# Altium PCB mega nhakinh.PcbDoc
Units mm, origin at the board's own origin, x right, y up, seen from the top; angles counter-clockwise.
Board outline 189.74 x 130.3 mm, 2 copper layers (Top Layer, Bottom Layer); 52 components, 49 nets, 248 pads, 48 vias.
Unrouted connection lines stored in the file: 5.
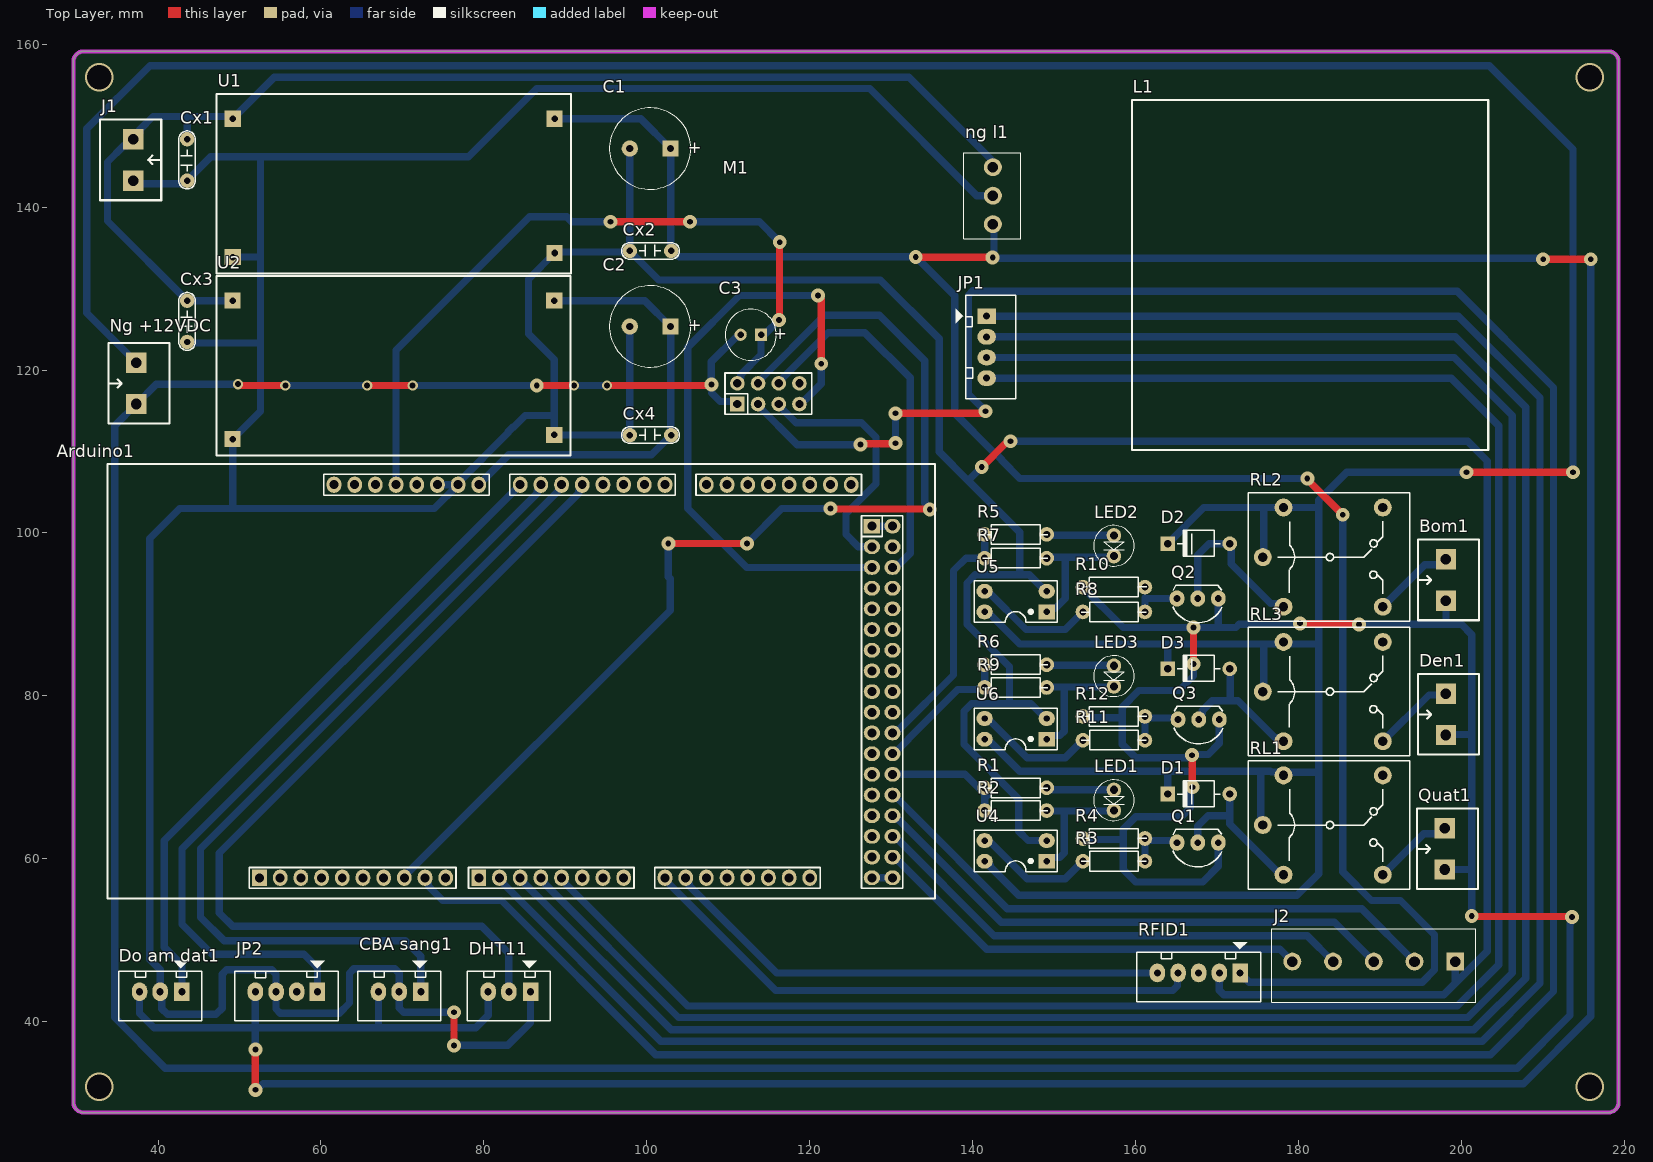
[diagram p0: Top Layer view]
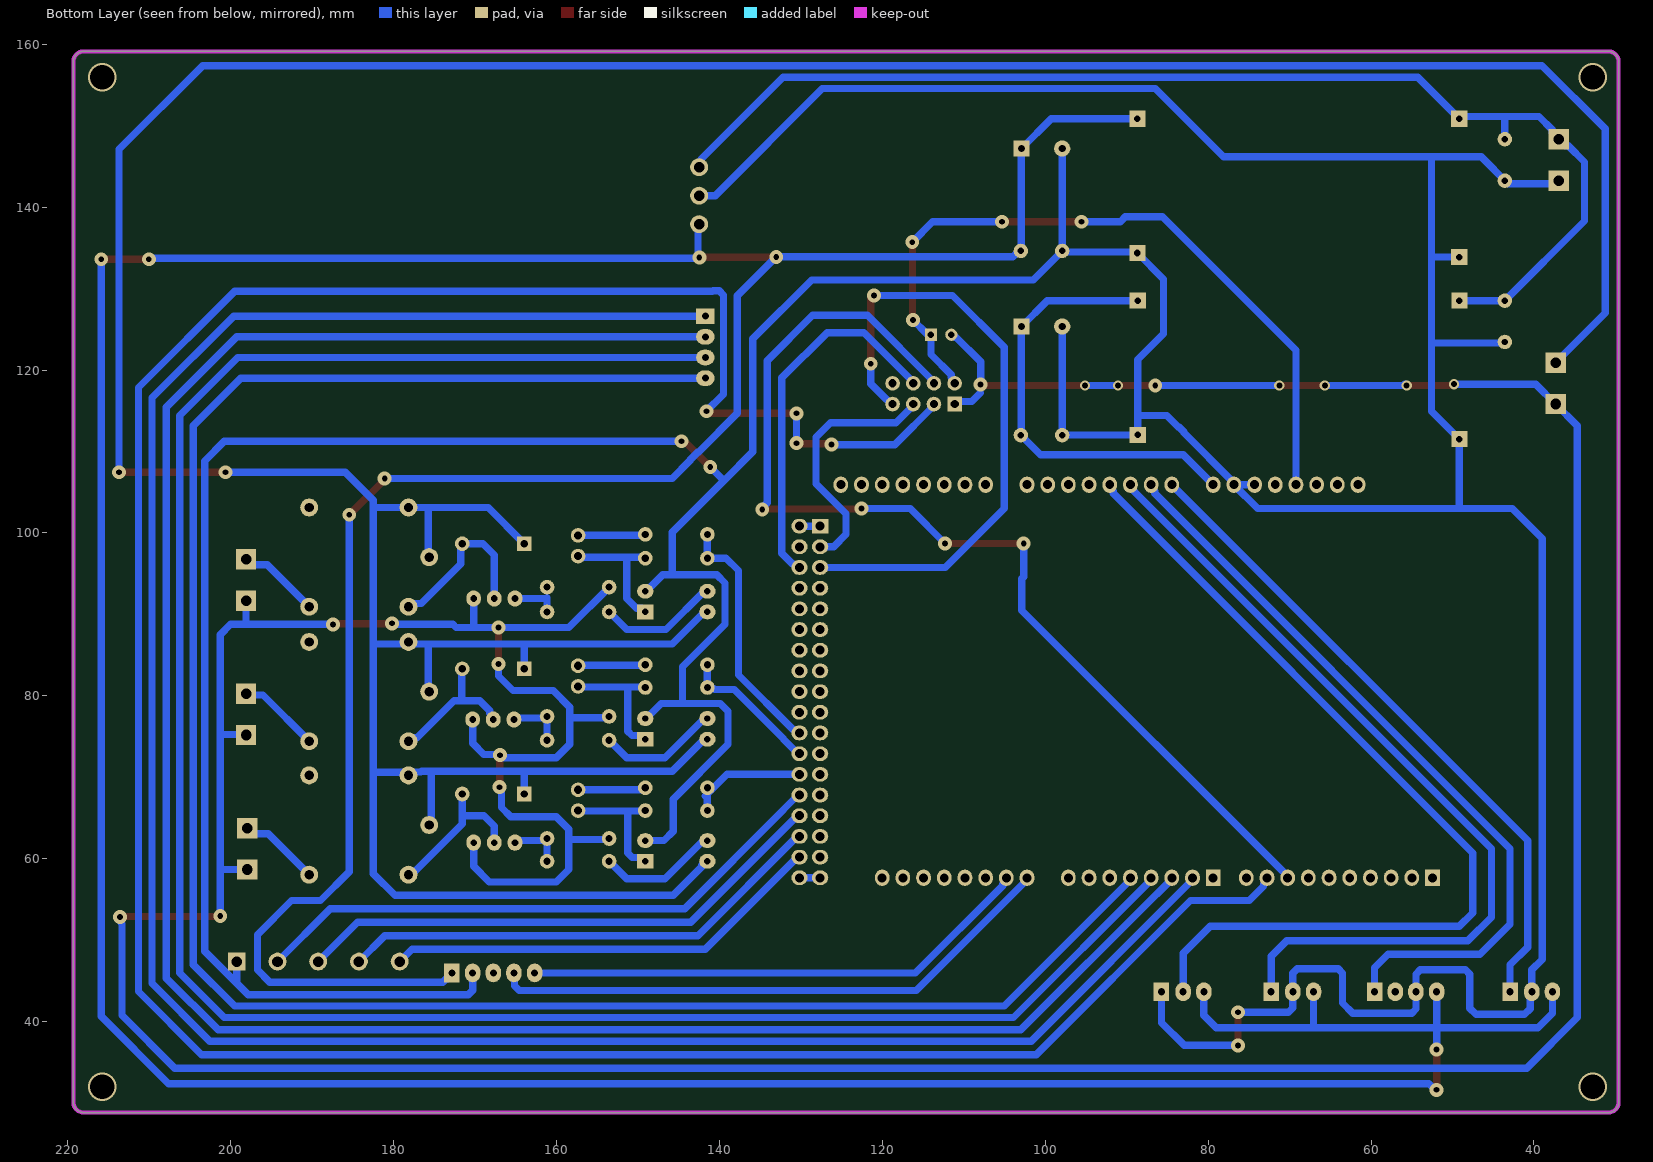
[diagram p1: Bottom Layer view, seen from below]

## Layer stack, top to bottom
Top Solder: solder mask 0.0102, Solder Resist, Dk 3.5
Top Layer: signal copper 0.0356
Dielectric 1: dielectric 0.32, FR-4, Dk 4.8
Bottom Layer: signal copper 0.0356
Bottom Solder: solder mask 0.0102, Solder Resist, Dk 3.5

## Board outline
29.591,30.099 29.591,157.861 cw(c30.861,157.861) 30.861,159.131 218.059,159.131 cw(c218.059,157.861) 219.329,157.861 219.329,30.099 cw(c218.059,30.099) 218.059,28.829 30.861,28.829 cw(c30.861,30.099)

## Design rules (kind name [scope] priority, off if disabled: settings)
Clearance [All] p1: gap=0.5 ignorepadtopadclearanceinfootprint=FALSE
PolygonConnect [All] p1: connectstyle=NoConnect reliefconductorwidth=0.254 reliefentries=4 polygonreliefangle="90 Angle" airgapwidth=0.254
RoutingVias [All] p1: holewidth=0.711 width=1.27 viastyle="Through Hole" minholewidth=0.711 minwidth=1.27 maxholewidth=0.711 maxwidth=1.27
SolderMaskExpansion [All] p1: expansion=0.102 istentingtop=FALSE
Width [All] p1: maxlimit=2 minlimit=0.9 preferedwidth=1.3
30 further rules are at their usual default settings.

## Components (designator, comment, footprint, x,y, rotation, side; value= is the part's Value field where it differs from the comment)
Arduino1 "Arduino Mega2560" "Arduino MEGA2560" 83.185,82.423 r180 top value="Cau 1A"
Bom1 "KF2" KF2-5.08 198.12,94.234 r90 top
C1 "470uF/16V" CA-ALU-10R 100.417,147.193 r180 top value=104
C2 "470uF/16V" CA-ALU-10R 100.417,125.349 r180 top value=104
C3 "10uF" CA-ALU-6.3R 112.776,124.333 r180 top value=104
"CBA sang1" "JP3" CON3 72.136,43.666 r180 top value="Connector 3"
Cx1 "104" CN2-T 43.434,145.796 r90 top value=33pF
Cx2 "104" CN2-T 100.457,134.747 r0 top value=33pF
Cx3 "104" CN2-T 43.434,125.984 r90 top value=33pF
Cx4 "104" CN2-T 100.457,112.141 r0 top value=33pF
D1 "Diode" DIO-1A-SMALL 172.847,67.945 r0 top value=1N5007
D2 "Diode" DIO-1A-SMALL 172.847,98.679 r0 top value=1N5007
D3 "Diode" DIO-1A-SMALL 172.847,83.312 r0 top value=1N5007
Den1 "KF2" KF2-5.08 198.12,77.724 r90 top
DHT11 "JP3" CON3 85.598,43.666 r180 top value="Connector 3"
"Do am dat1" "JP3" CON3 42.799,43.666 r180 top value="Connector 3"
J1 "KF2" KF2-5.08 36.957,145.796 r270 top
J2 "KF5" KF5-5 189.263,47.371 r180 top
JP1 "L298" CON4 141.732,126.619 r270 top value="Connector 4"
JP2 "CBMua" CON4 59.563,43.666 r180 top value="Connector 4"
L1 "L298N_3D" L298N_3D 159.561,153.157 r270 top
LED1 "LED" LED-5MM-BLUE 157.353,68.453 r270 top value="LED 3 ly Single Colour"
LED2 "LED" LED-5MM-BLUE 157.353,99.695 r270 top value="LED 3 ly Single Colour"
LED3 "LED" LED-5MM-BLUE 157.353,83.693 r270 top value="LED 3 ly Single Colour"
M1 "NRF24L01" NRF24L01 114.935,117.094 r0 top
"Ng +12VDC" "KF2" KF2-5.08 37.338,118.364 r90 top
"ng l1" "KF3" KF3-3.5 142.494,141.407 r270 top
Q1 "2SC1815" TO92-123 167.64,61.976 r180 top value=C1815
Q2 "2SC1815" TO92-123 167.64,91.948 r180 top value=C1815
Q3 "2SC1815" TO92-123 167.767,77.089 r180 top value=C1815
Quat1 "KF2" KF2-5.08 197.993,61.214 r90 top
R1 "330" RES-1/4W-SMALL 145.034,68.707 r0 top
R2 "330" RES-1/4W-SMALL 145.034,65.913 r0 top
R3 "1k" RES-1/4W-SMALL 157.099,59.69 r0 top
R4 "1k" RES-1/4W-SMALL 157.607,62.484 r180 top
R5 "330" RES-1/4W-SMALL 145.034,99.822 r0 top
R6 "330" RES-1/4W-SMALL 145.034,83.82 r0 top
R7 "330" RES-1/4W-SMALL 145.034,96.901 r0 top
R8 "1k" RES-1/4W-SMALL 157.099,90.297 r0 top
R9 "330" RES-1/4W-SMALL 145.034,81.026 r0 top
R10 "1k" RES-1/4W-SMALL 157.607,93.345 r180 top
R11 "1k" RES-1/4W-SMALL 157.099,74.549 r0 top
R12 "1k" RES-1/4W-SMALL 157.607,77.47 r180 top
RFID1 "JP5" CON5 172.847,45.974 r180 top value="Connector 5"
RL1 "Relay 10A/12V" "RELAY 5" 183.896,64.135 r0 top value="Relay SPDT, 10A, 12V"
RL2 "Relay 10A/12V" "RELAY 5" 183.896,97.028 r0 top value="Relay SPDT, 10A, 12V"
RL3 "Relay 10A/12V" "RELAY 5" 183.896,80.518 r0 top value="Relay SPDT, 10A, 12V"
U1 "MODULE_LM2596" MODULE_LM2596 47.175,131.868 r0 top
U2 "MODULE_LM2596" MODULE_LM2596 47.146,109.524 r0 top
U4 "PC817" DIP4 149.098,59.69 r90 top
U5 "PC817" DIP4 149.098,90.297 r90 top
U6 "PC817" DIP4 149.098,74.676 r90 top

## Footprints (in the part's own frame and the unit in brackets; to place one, negate y for a bottom-side part, rotate by r counter-clockwise, add the part's x,y. Pads: shape width x height; smd on the part's side, far side on the other; paste and mask are expansions set on the pad)
"Arduino MEGA2560" [mm]
  oval 1.8x2 hole 1.1: 0-RX(-13.97,24.765) 1-TX(-11.43,24.765) 2(-8.89,24.765) 3V3(13.97,-23.495) 4(-3.81,24.765) 5V(11.43,-23.495) 8(7.874,24.765) 12(18.034,24.765) 13(20.574,24.765) 14(-19.05,24.765) 15(-21.59,24.765) 16(-24.13,24.765) 17(-26.67,24.765) 18(-29.21,24.765) 19(-31.75,24.765) 20(-34.29,24.765) 21(-36.83,24.765) A0(-1.27,-23.495) A1(-3.81,-23.495) A2(-6.35,-23.495) A3(-8.89,-23.495) A4(-11.43,-23.495) A5(-13.97,-23.495) A6(-16.51,-23.495) A7(-19.05,-23.495) A8(-24.13,-23.495) A9(-26.67,-23.495) A10(-29.21,-23.495) A11(-31.75,-23.495) A12(-34.29,-23.495) A13(-36.83,-23.495) A14(-39.37,-23.495) A15(-41.91,-23.495) AREF(25.654,24.765) GND(6.35,-23.495) GND(8.89,-23.495) GND(23.114,24.765) IOREF(19.05,-23.495) RESET(16.51,-23.495) SDA(28.194,24.765) Vin(3.81,-23.495) ~3(-6.35,24.765) ~5(-1.27,24.765) ~6(1.27,24.765) ~9(10.414,24.765) ~10(12.954,24.765) ~11(15.494,24.765) ""(21.59,-23.495)
  oval 2x1.8 hole 1.1: 5V(-46.99,24.765) 5V(-44.45,24.765) 22(-44.45,22.225) 23(-46.99,22.225) 24(-44.45,19.685) 25(-46.99,19.685) 26(-44.45,17.145) 27(-46.99,17.145) 28(-44.45,14.605) 29(-46.99,14.605) 30(-44.45,12.065) 31(-46.99,12.065) 32(-44.45,9.525) 33(-46.99,9.525) 34(-44.45,6.985) 35(-46.99,6.985) 36(-44.45,4.445) 37(-46.99,4.445) 38(-44.45,1.905) 39(-46.99,1.905) 40(-44.45,-0.635) 41(-46.99,-0.635) 42(-44.45,-3.175) 43(-46.99,-3.175) 44(-44.45,-5.715) 45(-46.99,-5.715) 46(-44.45,-8.255) 47(-46.99,-8.255) 48(-44.45,-10.795) 49(-46.99,-10.795) 50(-44.45,-13.335) 51(-46.99,-13.335) 52(-44.45,-15.875) 53(-46.99,-15.875) GND(-46.99,-18.415)
  rect 1.8x2 hole 1.1: 7(3.81,24.765) SCL(30.734,24.765)
  round 0 all layers, no hole: GND(-46.99,-23.495) GND(-40.64,24.765) GND(-16.51,9.525) GND(-16.51,-18.415) GND(34.29,24.765) GND(35.56,-23.495) ""(-46.99,-23.495) ""(-40.64,24.765) ""(-16.51,9.525) ""(-16.51,-18.415) ""(34.29,24.765) ""(35.56,-23.495)
  rect 2x1.8 hole 1.1: GND(-44.45,-18.415)
  silkscreen extent -52.2,-26.04 49.4,27.31, body extent -52.07,-26.03 55.88,27.31, height 15.2
CA-ALU-6.3R [mm] "Polarized capacitors, Aluminum Electrolytic Capacitors, 2-Leads, Body 6.3x15x2.5x0.5"
  rect 1.5x1.5 hole 0.8: 1(-1.25,0)
  round 1.5 hole 0.8: 2(1.25,0)
  silkscreen extent -3.15,-3.15 3.15,3.15, body extent -3.12,-3.13 3.14,3.15, height 15.26
CA-ALU-10R [mm] "Polarized capacitors, Aluminum Electrolytic Capacitors, 2-Leads, Body 10x20x5x0.6"
  rect 2x2 hole 0.9: 1(-2.5,0)
  round 2 hole 0.9: 2(2.5,0)
  silkscreen extent -5,-5 5,5, body extent -5.02,-4.98 4.97,5.02, height 18.91
CN2-T [mil]
  round 70 hole 31: 1(-100,-5) 2(100,-5)
  silkscreen extent -140,-45 140,35, body extent -118,-48 118,35, height 319
CON3 [mil] "CON 3 - Header White"
  rect 75x90 hole 34: 1(-5,0)
  oval 75x90 hole 34: 2(100,0) 3(200,0)
  silkscreen extent -100,-150 300,140, body extent -94,-94 296,133, height 276
CON4 [mil]
  rect 75x90 hole 34: 1(0,0)
  oval 75x90 hole 34: 2(100,0) 3(200,0) 4(300,0)
  silkscreen extent -100,-150 400,140, body extent -90,-90 398,136, height 276
CON5 [mil] "CON5"
  rect 75x90 hole 34: 1(0,0)
  oval 75x90 hole 34: 2(100,0) 3(200,0) 4(300,0) 5(400,0)
  silkscreen extent -100,-150 500,140, body extent -93,-94 493,132, height 276
DIO-1A-SMALL [mm] "Diode 1A, W 100mil, L 350mil"
  round 1.8 hole 0.889: 1(-1.27,0)
  rect 1.8x1.8 hole 0.889: 2(-8.89,0)
  silkscreen extent -7.75,-1.55 -2.41,1.65, body extent -9.29,-1.55 -0.87,1.65, height 3.1
DIP4 [mm]
  rect 1.8x2 hole 0.787: 1(0,0)
  oval 1.8x2 hole 0.787: 2(2.54,0) 3(2.54,7.62) 4(0,7.62)
  silkscreen extent -1.28,-1.27 3.81,8.89, body extent -1.5,-0.25 4.04,7.75, height 4.31
KF2-5.08 [mm]
  rect 2.5x2.5 hole 1.3: 1(-2.54,0) 2(2.54,0)
  silkscreen extent -4.95,-4.08 4.95,3.43, body extent -5,-4.07 5,3.43, height 10
KF3-3.5 [mm] "3,50mm - modular - blue - Horizontal wire entry - Pressure clamp - 8,4mm height - 03p"
  round 2.2 hole 1.3: 1(-3.5,0) 2(0,0) 3(3.5,0)
  silkscreen extent -5.3,-3.6 5.3,3.4, body extent -5.7,-3.6 5.8,3.4, height 8.41
KF5-5 [mm] "Serie 1337 - 5.00 mm_5 pins"
  rect 2.2x2.2 hole 1.3: 1(-10,0)
  round 2.2 hole 1.3: 2(-5,0) 3(0,0) 4(5,0) 5(10,0)
  silkscreen extent -12.5,-4 12.5,5, body extent -12.5,-4 12.5,5, height 13
L298N_3D [mm]
  round 0 all layers, no hole: 1(3,3.38) 2(40,3.38) 3(40,40) 4(3.25,40)
  silkscreen extent 0,0 43,43.75, body extent 0,0 43,43, height 25
LED-5MM-BLUE [mm]
  round 1.8 hole 1.016: 1(0,0) 2(2.54,0)
  silkscreen extent -1.23,-2.5 3.77,2.5, body extent -1.38,-2.67 3.94,2.66, height 9.4
MODULE_LM2596 [mm]
  rect 2x2 hole 0.8: 1(2,19) 2(2,2) 3(41.5,2.5) 4(41.5,19)
  round 0 all layers, no hole: 6(6.8,18.5) 6(36.8,2.5)
  silkscreen extent 0,0 43.5,22, body extent 0.07,0.38 43.68,21.68, height 19.8
NRF24L01 [mm]
  rect 1.8x1.8 hole 1.02: 1(-3.81,-1.27)
  round 1.8 hole 1.02: 2(-1.27,-1.27) 3(1.27,-1.27) 4(3.81,-1.27) 5(3.81,1.27) 6(1.27,1.27) 7(-1.27,1.27) 8(-3.81,1.27)
  silkscreen extent -5.33,-2.54 5.33,2.54, body extent -5.85,-2.79 9.15,26.21, height 15.4
"RELAY 5" [mil] "Reley DPDT, 8 pin, 1A, W400mil, L800mil,H 300mil"
  round 86.61 hole 45: 1(-325,0) 2(255,240) 3(255,-240) 4(-225,-240) 5(-225,240)
  silkscreen extent -395,-310 385,310, body extent -371,-304 381,306, height 602
RES-1/4W-SMALL [mm]
  round 1.8 hole 0.889: 1(-3.556,0) 2(4.064,0)
  silkscreen extent -3.76,-1.2 4.22,1.2, body extent -3.86,-1.2 4.36,1.2, height 2.47
TO92-123 [mm] "TO-92"
  oval 1.8x2 hole 0.813: 1(-2.54,0) 2(0,0) 3(2.54,0)
  silkscreen extent -2.96,-1.65 3.05,2.99, body extent -2.77,-1.67 2.77,2.41, height 6.22

## Part data
Arduino1: "Arduino MEGA2560"
Bom1 Den1 J1 "Ng +12VDC" Quat1: Manufacturer="Würth Elektronik eiSos GmbH", partNo=691103110002, ComponentLink1 Description=Manufacturer, ComponentLink1URL=http://www.we-online.com, ComponentLink2 Description=Datasheet, ComponentLink2URL=http://katalog.we-online.de/em/datasheet/6911031100xx.pdf, Created by="Karrer Zheng", Created Date="29 October 2013", NoPins=2
C1 C2 C3: library part CN-ALU-DIP, "Capacitor (Semiconductor SIM Model)", LatestRevisionDate=17-Jul-2002, LatestRevisionNote="Re-released for DXP Platform.", PackageReference=C1206, Publisher="Altium Limited"
"CBA sang1" DHT11 "Do am dat1": library part Con3, "Connector 3"
Cx1 Cx2 Cx3 Cx4: library part CN
D1 D2 D3: "Default Diode", Code - JEDEC=DO-214-AB, Published=8-Jun-2000, Publisher="Altium Limited", Revision="July-2002: Re-released for DXP Platform."
J2: Manufacturer="W¨¹rth Elektronik eiSos GmbH", partNo=691133710005, ComponentLink1 Description=Manufacturer, ComponentLink1 URL=http://www.we-online.com, ComponentLink2 Description=Datasheet, ComponentLink2 URL=http://katalog.we-online.de/em/datasheet/6911337100xx.pdf, Created by="Baojun Chen", Created Date=4-Aug-15, NoPins=5
JP1 JP2: library part Con4, "Connector 4"
LED1 LED2 LED3: "LED Single colour Green and Red"
"ng l1": Manufacturer="Würth Elektronik eiSos GmbH", partNo=691103110003, ComponentLink1 Description=Manufacturer, ComponentLink1URL=http://www.we-online.com, ComponentLink2 Description=Datasheet, ComponentLink2URL=http://katalog.we-online.de/em/datasheet/6911031100xx.pdf, Created by="Karrer Zheng", Created Date="29 October 2013", NoPins=3
Q1 Q2 Q3: "NPN 600mW, ECB"
R1 R2 R3 R4 R5 R6 R7 R8 R9 R10 R11 R12: library part Res, "Res", Manufacturer="Generic Components", Class=Passive, Published=08/06/2000, Publisher="Altium Hobart Technology Centre", SubClass=R
RFID1: library part Con5, "Connector 5"
RL1 RL2 RL3: library part "Relay 5", "Relay SPDT,10A - 12VDC 5 Pin"
U4 U5 U6: "Single Opto"

## Via types
v1: diameter 1.7, hole 0.711, Top Layer to Bottom Layer, 38 vias
v2: diameter 1.27, hole 0.711, Top Layer to Bottom Layer, 6 vias
v3: diameter 3.5, hole 3, Top Layer to Bottom Layer, 4 vias

## Nets (pads, with @x,y where several pads share a name; then routed paths per layer and width w, separated by ;. In a path a pad name is that pad's centre, name@x,y a point inside that pad or via, vN(x,y) a via of type N, cw(c..) or ccw(c..) an arc to the next point about the centre after c; other vN are vias at no path point)
9: Arduino1.~9 M1.2 | length 351.3
  Top Layer w0.9: v1(126.238,110.871) 126.313,110.946 130.459,110.946 v1(130.534,111.02) ; v1(130.534,114.681) 141.251,114.681 141.505,114.935 v1(141.605,114.935)
  Bottom Layer w0.9: Arduino1.~9 72.771,57.314 73.194,56.891 73.194,56.6 74.93,54.864 82.169,54.864 101.092,35.941 203.581,35.941 211.328,43.688 211.328,117.856 199.517,129.667 140.843,129.667 140.782,129.728 140.037,129.728 139.51,129.201 139.51,117.03 v1(141.605,114.935) ; M1.2 113.665,115.648 118.479,110.834 126.201,110.834 v1(126.238,110.871) ; v1(130.534,111.02) v1(130.534,114.681)
10: Arduino1.~10 M1.7 | length 133.5
  Top Layer w0.9: v1(102.648,98.707) v1(112.3,98.707) ; v1(122.555,102.997) 122.618,102.933 134.683,102.933 v1(134.747,102.87)
  Bottom Layer w0.9: Arduino1.~10 70.231,57.834 102.87,90.473 102.87,94.371 102.648,94.593 v1(102.648,98.707) ; v1(112.3,98.707) 116.59,102.997 v1(122.555,102.997) ; M1.7 113.665,118.54 121.871,126.746 128.524,126.746 134.112,121.158 134.112,103.721 134.747,103.086 v1(134.747,102.87)
31: Arduino1.31 R1.1 R2.1 | length 15.5
  Bottom Layer w0.9: Arduino1.31 139.065,70.358 141.732,67.691 ; R2.1 R1.1
33: Arduino1.33 R6.1 R9.1 | length 17.2
  Bottom Layer w0.9: Arduino1.33 130.351,72.898 132.125,74.672 132.125,74.721 138.176,80.772 140.588,80.772 140.669,80.854 141.092,80.854 R9.1@141.174,80.772 ; R9.1 R6.1
35: Arduino1.35 R5.1 R7.1 | length 30.6
  Bottom Layer w0.9: Arduino1.35 130.519,75.438 130.969,75.888 131.006,75.888 137.668,82.55 137.668,95.377 139.192,96.901 R7.1 R5.1
50: Arduino1.50 M1.4 | length 78.7
  Top Layer w0.9: v1(121.031,129.159) 121.031,129.059 121.412,128.678 v1(121.412,120.777)
  Bottom Layer w0.9: M1.4 118.889,115.824 119.479,116.414 119.511,116.414 121.412,118.315 v1(121.412,120.777) ; v1(121.031,129.159) 111.379,129.159 105.029,122.809 105.029,102.997 112.268,95.758 Arduino1.50
51: Arduino1.51 M1.6 | length 45.5
  Bottom Layer w0.9: M1.6 116.205,118.54 122.252,124.587 126.779,124.587 132.334,119.032 132.334,97.501 131.041,96.208 130.969,96.208 130.519,95.758 Arduino1.51
52: Arduino1.52 M1.3 | length 31
  Bottom Layer w0.9: M1.3 116.205,115.648 118.315,113.538 126.365,113.538 128.143,111.76 128.143,106.045 124.46,102.362 124.46,99.822 125.984,98.298 Arduino1.52
+3V3: Arduino1.3V3 C3.1 M1.8 | length 91.5
  Top Layer w0.9: v1(95.536,138.204) v1(105.315,138.204) ; v1(116.237,126.139) 116.286,126.188 116.286,135.651 v1(116.335,135.7)
  Bottom Layer w0.9: Arduino1.3V3 69.215,122.428 85.598,138.811 90.155,138.811 90.762,138.204 v1(95.536,138.204) ; v1(105.315,138.204) 113.832,138.204 v1(116.335,135.7) ; M1.8 111.125,118.708 111.548,119.131 111.548,119.422 114.026,121.9 114.026,124.46 114.558,124.46 v1(116.237,126.139)
+5VDC: Arduino1.5V | length 2.5
  Bottom Layer w0.9: Arduino1.5V@127.635,57.658 Arduino1.5V@130.175,57.658
+9V: Arduino1.Vin C2.1 Cx4.2 U2.4 | length 55.1
  Bottom Layer w0.9: Arduino1.Vin 83.058,109.601 100.584,109.601 Cx4.2 102.957,112.054 102.957,125.309 C2.1 99.742,128.524 U2.4
+12V: "ng l1.1" Cx1.2 Cx3.2 J1.1 U1.1 U2.1 | length 148.2
  Bottom Layer w0.9: Cx1.2 43.561,151.13 ; U2.1 Cx3.2 33.782,138.303 33.782,145.542 35.776,147.536 36.157,147.536 36.767,148.145 36.767,148.526 37.148,148.526 37.757,149.136 37.757,149.517 39.37,151.13 43.561,151.13 ; 142.494,144.907 142.245,145.156 142.245,145.918 132.201,155.962 54.269,155.962 U1.1 48.913,151.13 43.561,151.13
+12VDC: "Ng +12VDC.2" D1.2 D2.2 D3.2 RL1.1 RL1.5 RL2.1 RL2.5 RL3.1 RL3.5 U4.4 U5.4 U6.4 | length 514.1
  Top Layer w0.9: v1(200.66,107.442) 200.663,107.445 213.716,107.445 v1(213.719,107.447)
  Bottom Layer w0.9: 37.338,120.904 31.242,127 31.242,149.606 38.998,157.362 203.445,157.362 213.719,147.088 v1(213.719,107.447) ; U4.4 141.69,59.69 142.171,59.209 142.171,58.997 145.669,55.499 179.832,55.499 182.499,58.166 182.499,70.612 ; U6.4 141.859,74.676 145.799,70.736 148.257,70.736 163.957,70.737 ; U5.4 141.859,90.297 145.796,86.36 163.957,86.36 ; D1.2 163.957,70.737 ; D3.2 163.957,86.36 ; D2.2 168.402,103.124 175.768,103.124 ; RL1.1 175.387,64.389 175.387,70.737 ; RL3.1 175.768,80.645 175.768,86.36 ; RL2.1 175.768,97.155 175.768,103.124 ; v1(200.66,107.442) 185.928,107.442 182.499,104.013 182.499,103.124 ; 163.957,70.737 175.387,70.737 ; 163.957,86.36 175.768,86.36 ; 175.387,70.737 176.58,70.737 176.674,70.642 177.77,70.642 RL1.5 178.562,70.612 182.499,70.612 ; 175.768,86.36 177.927,86.36 RL3.5 178.435,86.36 182.499,86.36 ; 175.768,103.124 RL2.5 182.499,103.124 ; 182.499,70.612 182.499,86.36 ; 182.499,86.36 182.499,103.124
A0: "Do am dat1.1" Arduino1.A0 | length 81.2
  Bottom Layer w0.9: 42.926,43.666 42.926,46.99 40.767,49.149 40.767,62.23 Arduino1.A0
A1: Arduino1.A1 JP2.1 | length 94
  Bottom Layer w0.9: JP2.1 59.563,46.609 57.912,48.26 46.609,48.26 42.926,51.943 42.926,61.214 86.572,104.86 86.572,105.151 86.995,105.574 Arduino1.A1
A2: "CBA sang1.1" Arduino1.A2 | length 104.8
  Bottom Layer w0.9: 72.263,43.666 72.263,48.006 70.358,49.911 48.133,49.911 45.212,52.832 45.212,61.214 89.085,105.087 89.085,105.124 89.535,105.574 Arduino1.A2
A3: Arduino1.A3 DHT11.2 | length 113.4
  Bottom Layer w0.9: DHT11.2 83.058,48.387 79.756,51.689 49.149,51.689 47.498,53.34 47.498,60.706 91.652,104.86 91.652,105.151 92.075,105.574 Arduino1.A3
CTHT1: Arduino1.23 J2.5 | length 54.4
  Bottom Layer w0.9: Arduino1.23 130.429,60.198 141.732,48.895 177.739,48.895 J2.5
CTHT2: Arduino1.25 J2.4 | length 60.5
  Bottom Layer w0.9: Arduino1.25 130.429,62.738 142.621,50.546 181.088,50.546 J2.4
CTHT3: Arduino1.27 J2.3 | length 66.5
  Bottom Layer w0.9: Arduino1.27 130.429,65.278 143.51,52.197 184.437,52.197 J2.3
CTHT4: Arduino1.29 J2.2 | length 72.6
  Bottom Layer w0.9: Arduino1.29 130.351,67.818 132.125,66.044 132.125,65.995 144.272,53.848 187.786,53.848 J2.2
DIO0: Arduino1.2
GND: "CBA sang1.2" "Do am dat1.2" "ng l1.2" Arduino1.GND C1.2 C2.2 C3.2 Cx1.1 Cx2.1 Cx3.1 Cx4.1 DHT11.1 J1.2 J2.1 JP2.3 M1.1 RFID1.2 U1.2 U1.3 U2.2 U2.3 U4.2 U5.2 U6.2 | length 739.1
  Top Layer w0.9: v1(76.327,37.084) v1(76.327,41.148) ; v1(141.124,108.077) 144.228,111.181 144.582,111.181 v1(144.653,111.252)
  Bottom Layer w0.9: J1.2@36.257,142.875 43.18,142.875 46.482,146.177 52.578,146.177 ; Cx3.1 43.688,123.317 52.578,123.317 ; U1.2 52.441,133.868 52.578,133.731 ; Arduino1.GND@74.295,105.918 Arduino1.GND@76.835,105.918 ; v1(76.327,37.084) 82.931,37.084 85.725,39.878 DHT11.1 ; v1(76.327,41.148) 70.123,41.148 69.596,41.675 69.596,43.666 69.596,45.955 69.069,46.482 64.027,46.482 63.5,45.955 63.5,42.291 62.23,41.021 55.01,41.021 54.483,41.548 JP2.3 54.483,45.828 53.956,46.355 48.406,46.355 47.879,45.828 47.879,41.656 47.117,40.894 41.148,40.894 40.451,41.591 40.451,43.474 40.259,43.666 40.259,46.355 38.989,47.625 38.989,99.314 42.672,102.997 49.146,102.997 ; C2.2 Cx4.1 97.912,112.019 88.651,112.019 U2.3 88.646,114.427 ; C1.2 Cx2.1 ; Arduino1.GND@127.635,100.838 Arduino1.GND@130.175,100.838 ; v1(141.124,108.077) 141.097,108.077 139.446,106.426 ; 142.494,141.407 140.533,141.407 127.378,154.562 86.49,154.562 78.105,146.177 52.578,146.177 ; v1(144.653,111.252) 200.787,111.252 203.2,108.839 203.2,48.641 199.263,44.704 ; U4.2 146.812,62.23 145.669,63.373 145.669,67.31 138.938,74.041 138.938,78.105 139.899,79.066 144.526,79.066 ; U6.2 148.998,77.216 147.148,79.066 144.526,79.066 ; U5.2 148.998,92.837 146.966,94.869 145.796,94.869 ; RFID1.2 170.307,43.834 170.834,43.307 197.866,43.307 199.263,44.704 ; J2.1 199.263,44.704 ; 49.146,102.997 73.914,102.997 Arduino1.GND@76.835,105.918 ; 49.146,102.997 U2.2 52.578,114.956 52.578,123.317 ; 52.578,123.317 52.578,133.731 ; 52.578,133.731 52.578,146.177 ; Arduino1.GND@76.835,105.918 76.835,106.172 82.996,112.333 82.996,112.418 83.552,112.974 83.637,112.974 85.09,114.427 88.646,114.427 ; 88.646,114.427 88.646,121.285 85.471,124.46 85.471,131.164 U1.3 88.801,134.494 97.791,134.494 Cx2.1 ; Cx2.1 101.478,131.059 128.656,131.059 135.89,123.825 135.89,109.982 139.446,106.426 ; 139.446,106.426 139.763,106.108 145.796,100.076 145.796,94.869 ; 144.526,79.066 144.526,83.566 139.319,88.773 139.319,93.853 140.335,94.869 145.796,94.869
GND1: "Ng +12VDC.1" Bom1.1 Den1.1 Q1.1 Q2.1 Q3.1 Quat1.1 R4.2 R10.2 R12.2 | length 550.3
  Top Layer w0.9: v2(49.802,118.273) 49.766,118.237 49.657,118.237 49.784,118.11 v2(55.626,118.11) ; v2(65.659,118.11) v2(71.247,118.11) ; v1(86.487,118.11) v2(91.059,118.11) ; v2(95.123,118.11) v1@107.933,118.11 ; v1(166.949,72.715) 166.977,72.687 166.977,68.812 v1(167.005,68.784) ; v1(167.132,83.897) v1(167.132,88.392) ; v1(180.213,88.9) 180.276,88.837 187.388,88.837 v1(187.452,88.773) ; v1(201.295,52.959) 201.358,52.895 213.55,52.895 v1(213.614,52.832)
  Bottom Layer w0.9: v2(49.802,118.273) 39.787,118.273 37.338,115.824 34.671,113.157 34.671,40.513 40.894,34.29 206.883,34.29 213.36,40.767 213.36,52.012 213.461,52.113 213.461,52.679 v1(213.614,52.832) ; v2(55.626,118.11) 55.753,118.237 55.88,118.237 56.007,118.11 v2(65.659,118.11) ; v2(71.247,118.11) v1(86.487,118.11) ; v2(91.059,118.11) v2(95.123,118.11) ; v1(107.933,118.209) 107.933,121.014 110.952,124.033 111.064,124.033 111.383,124.352 111.383,124.464 ; 107.951,117.22 109.037,116.134 110.815,116.134 111.125,115.824 ; R4.2 153.67,62.357 158.496,62.357 ; R12.2 153.715,77.298 158.369,77.298 ; R10.2 158.496,88.392 v1(167.132,88.392) 170.18,88.392 ; v1@166.878,72.644 166.751,72.644 166.497,72.39 160.02,72.39 158.369,74.041 158.369,78.613 160.401,80.645 165.354,80.645 167.132,82.423 v1(167.132,83.897) ; v1(167.005,68.784) 167.005,68.684 166.751,68.43 166.751,66.294 165.608,65.151 160.02,65.151 158.496,63.627 158.496,62.357 ; v1@167.02,72.786 168.925,72.786 170.307,74.168 Q3.1 ; Q1.1 170.18,59.055 168.275,57.15 160.02,57.15 158.496,58.674 158.496,62.357 ; Q2.1 170.18,88.392 ; v1(180.213,88.9) 180.086,88.773 172.72,88.773 172.339,88.392 170.18,88.392 ; v1(187.452,88.773) 200.025,88.773 201.295,87.503 201.295,75.248 ; Quat1.1 201.295,58.674 ; Den1.1 198.183,75.248 201.295,75.248 ; 198.12,88.773 Bom1.1 ; v1(201.295,52.959) 201.295,75.248
INT1: Arduino1.~6 JP1.1 | length 283.2
  Bottom Layer w0.9: Arduino1.~6 81.915,57.404 101.73,37.589 202.562,37.589 209.677,44.704 209.677,116.586 199.644,126.619 JP1.1
INT2: Arduino1.~5 JP1.2 | length 273.8
  Bottom Layer w0.9: Arduino1.~5 84.455,57.482 86.229,55.708 86.278,55.708 102.997,38.989 201.549,38.989 207.899,45.339 207.899,115.443 199.263,124.079 JP1.2
INT3: Arduino1.4 JP1.3 | length 264.7
  Bottom Layer w0.9: Arduino1.4 86.995,57.404 103.892,40.507 200.781,40.507 206.248,45.974 206.248,114.427 199.136,121.539 JP1.3
INT4: Arduino1.~3 JP1.4 | length 255.3
  Bottom Layer w0.9: Arduino1.~3 89.535,57.404 105.032,41.907 199.514,41.907 204.6,46.993 204.6,113.154 198.755,118.999 JP1.4
NetBom1_2: Bom1.2 RL2.3 | length 10.2
  Bottom Layer w0.9: RL2.3 195.52,96.079 197.425,96.079 Bom1.2
NetD1_1: D1.1 Q1.2 RL1.4 | length 19.4
  Bottom Layer w0.9: Q1.2 167.64,64.008 168.91,65.278 171.45,65.278 171.577,65.151 ; D1.1 171.577,64.262 177.8,58.039 RL1.4
NetD2_1: D2.1 Q2.2 RL2.4 | length 21
  Bottom Layer w0.9: Q2.2 167.64,97.282 169.037,98.679 D2.1 171.779,98.477 171.779,96.191 176.627,91.343 177.77,91.343 RL2.4
NetD3_1: D3.1 Q3.2 RL3.4 | length 17.8
  Bottom Layer w0.9: Q3.2 167.767,77.433 168.19,77.856 168.19,78.147 169.418,79.375 171.657,79.375 ; D3.1 171.657,83.232 171.657,79.375 ; RL3.4 177.77,74.833 177.135,74.833 172.593,79.375 171.657,79.375
NetDen1_2: Den1.2 RL3.3 | length 10.2
  Bottom Layer w0.9: RL3.3 196.047,80.096 197.952,80.096 Den1.2
NetLED1_1: LED1.1 R1.2 | length 8.4
  Bottom Layer w0.9: R1.2 149.335,68.47 157.209,68.47 LED1.1@157.353,68.326
NetLED1_2: LED1.2 R2.2 U4.1 | length 16.1
  Bottom Layer w0.9: R2.2@149.094,65.909 R2.2 149.161,65.849 151.511,65.849 ; U4.1 149.548,60.14 150.691,60.14 151.257,60.706 151.257,65.596 151.511,65.849 ; LED1.2@157.29,65.849 151.511,65.849
NetLED2_1: LED2.1 R5.2 | length 8.5
  Bottom Layer w0.9: R5.2 149.225,99.695 157.006,99.695 LED2.1@157.353,99.348
NetLED2_2: LED2.2 R7.2 U5.1 | length 16.4
  Bottom Layer w0.9: U5.1 149.548,90.747 150.183,90.747 151.384,91.948 151.384,97.028 ; R7.2 149.225,97.028 151.384,97.028 ; LED2.2 157.226,97.028 151.384,97.028
NetLED3_1: LED3.1 R6.2 | length 8.3
  Bottom Layer w0.9: R6.2 149.161,83.757 157.29,83.757 LED3.1
NetLED3_2: LED3.2 R9.2 U6.1 | length 16.3
  Bottom Layer w0.9: U6.1 149.548,75.126 150.73,75.126 151.257,75.653 151.257,81.09 ; R9.2 149.161,81.09 151.257,81.09 ; LED3.2 157.29,81.09 151.257,81.09
NetQ1_3: Q1.3 R3.2 R4.1 | length 6.9
  Bottom Layer w0.9: R3.2 R4.1 161.404,62.243 164.833,62.243 Q1.3
NetQ2_3: Q2.3 R8.2 R10.1 | length 5.8
  Bottom Layer w0.9: R8.2 161.163,92.075 161.29,91.948 Q2.3
NetQ3_3: Q3.3 R11.2 R12.1 | length 7.1
  Bottom Layer w0.9: R11.2 R12.1 161.353,77.279 165.036,77.279 Q3.3
NetQuat1_2: Quat1.2 RL1.3 | length 10
  Bottom Layer w0.9: RL1.3 195.393,63.059 197.298,63.059 Quat1.2
NetR3_1: R3.1 U4.3 | length 14.9
  Bottom Layer w0.9: U4.3 141.986,62.23 146.685,57.531 151.384,57.531 R3.1
NetR8_1: R8.1 U5.3 | length 14.9
  Bottom Layer w0.9: U5.3 141.859,92.837 146.558,88.138 151.384,88.138 R8.1
NetR11_1: R11.1 U6.3 | length 15
  Bottom Layer w0.9: U6.3 141.859,77.216 146.685,72.39 151.384,72.39 R11.1
RX: Arduino1.15 RFID1.5 | length 63
  Bottom Layer w0.9: Arduino1.15 104.775,57.314 105.225,56.864 105.225,56.7 115.951,45.974 RFID1.5
TX: Arduino1.14 RFID1.4 | length 70.7
  Bottom Layer w0.9: Arduino1.14 102.235,57.404 115.824,43.815 164.592,43.815 165.166,44.389 165.166,45.913 RFID1.4
VCC: "CBA sang1.3" "Do am dat1.3" "ng l1.3" C1.1 Cx2.2 DHT11.3 JP2.4 RFID1.1 U1.4 | length 634.6
  Top Layer w0.9: v1(51.943,31.623) v1(51.943,36.576) ; v1(133.018,133.893) 133.061,133.893 133.096,133.858 142.438,133.858 v1(142.466,133.831) ; v1(181.102,106.68) 181.102,106.567 v1(185.441,102.228) ; v1(210.058,133.604) v1(215.9,133.604)
  Bottom Layer w0.9: 37.719,43.666 37.719,41.021 39.497,39.243 51.943,39.243 ; v1(51.943,31.623) 52.108,31.623 52.87,32.385 207.645,32.385 215.9,40.64 v1(215.9,133.604) ; v1(51.943,36.576) 51.943,39.243 ; JP2.4 51.943,39.243 ; 67.056,43.666 67.056,39.243 ; DHT11.3 80.518,40.767 78.994,39.243 67.056,39.243 ; U1.4 99.242,150.868 C1.1 102.957,147.153 102.957,134.66 Cx2.2 103.235,134.62 103.962,133.893 v1(133.018,133.893) 137.798,129.113 137.798,114.678 142.56,109.916 142.643,109.916 143.571,108.988 143.571,108.905 145.796,106.68 v1(181.102,106.68) ; 142.494,137.907 142.621,137.78 142.621,133.986 v1(142.466,133.831) 142.579,133.717 209.945,133.717 v1(210.058,133.604) ; RFID1.1 172.847,45.783 173.349,45.281 173.54,45.281 173.99,44.831 195.199,44.831 196.723,46.355 196.723,50.673 192.532,54.864 188.976,54.864 185.441,58.399 v1(185.441,102.228) ; 51.943,39.243 67.056,39.243
pads on no net: Arduino1. Arduino1.0-RX Arduino1.1-TX Arduino1.7 Arduino1.8 Arduino1.12 Arduino1.13 Arduino1.16 Arduino1.17 Arduino1.18 Arduino1.19 Arduino1.20 Arduino1.21 Arduino1.22 Arduino1.24 Arduino1.26 Arduino1.28 Arduino1.30 Arduino1.32 Arduino1.34 Arduino1.36 Arduino1.37 Arduino1.38 Arduino1.39 Arduino1.40 Arduino1.41 Arduino1.42 Arduino1.43 Arduino1.44 Arduino1.45 Arduino1.46 Arduino1.47 Arduino1.48 Arduino1.49 Arduino1.53 Arduino1.A4 Arduino1.A5 Arduino1.A6 Arduino1.A7 Arduino1.A8 Arduino1.A9 Arduino1.A10 Arduino1.A11 Arduino1.A12 Arduino1.A13 Arduino1.A14 Arduino1.A15 Arduino1.AREF Arduino1.IOREF Arduino1.RESET Arduino1.SCL Arduino1.SDA Arduino1.~11 JP2.2 L1.1 L1.2 L1.3 L1.4 M1.5 RFID1.3 RL1.2 RL2.2 RL3.2 U1.6 U2.6
copper on no net:
  other v3: 32.766,32.004 215.773,32.004 32.766,155.956 215.773,155.956

## Keep-outs
Keep-Out Layer:
  lines w0.5: 29.591,30.099 ccw(c30.861,30.099) 30.861,28.829 218.059,28.829 ccw(c218.059,30.099) 219.329,30.099 219.329,157.861 ccw(c218.059,157.861) 218.059,159.131 44.323,159.131 30.861,159.131 ccw(c30.861,157.861) 29.591,157.861 29.591,30.099

## Text inside footprints (layer, text, board x,y; h text height)
C1: Top Overlay "+" at 106.742,147.93 h1.5 r180
C2: Top Overlay "+" at 106.742,126.086 h1.5 r180
C3: Top Overlay "+" at 117.251,125.07 h1.5 r180